# Altium PCB 11BRANMB10H3_20171027.pcbdoc (part 5 of 7) (continued)
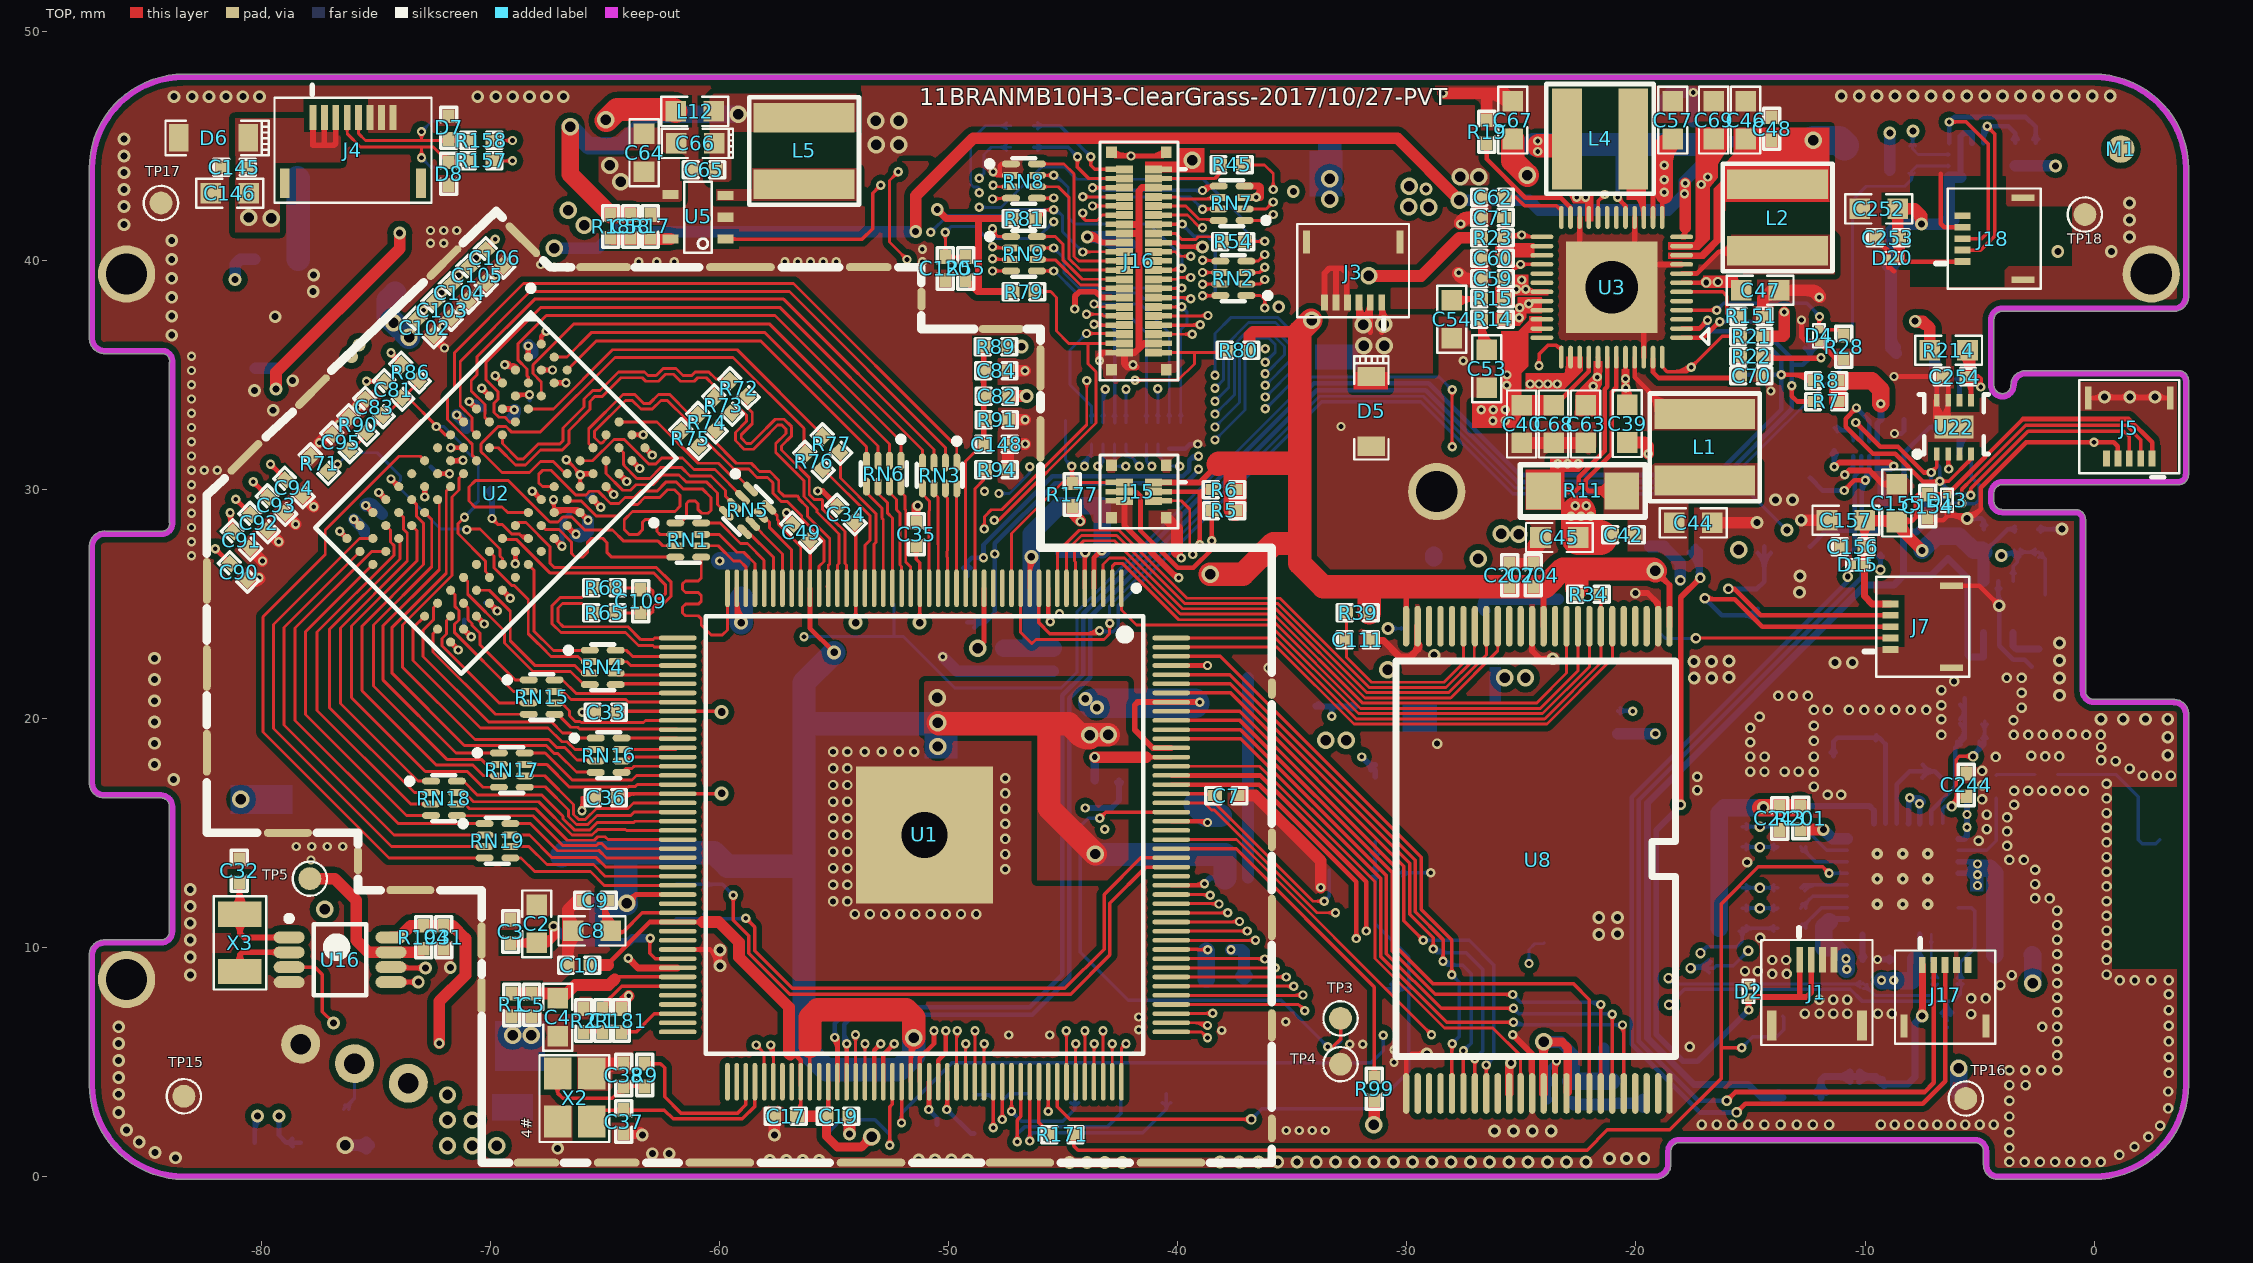
[diagram p0: TOP view]
## Nets (pads, with @x,y where several pads share a name; then routed paths per layer and width w, separated by ;. In a path a pad name is that pad's centre, name@x,y a point inside that pad or via, vN(x,y) a via of type N, cw(c..) or ccw(c..) an arc to the next point about the centre after c; other vN are vias at no path point) (continued)
N17493110: C1.1 R2.2 | length 2.2
  TOP w0.127: R2.2@-65.946,6.358 C1.1@-65.133,6.358 ; R2.2@-65.814,6.225 cw(c-65.493,5.904) -65.493,6.358 ; R2.2@-65.814,6.489 ccw(c-65.498,6.805) -65.498,6.358 ; -65.56,6.358 cw(c-65.56,5.905) C1.1@-65.24,6.225 ; -65.556,6.358 ccw(c-65.556,6.805) C1.1@-65.24,6.489
N17550444: C225.1 C227.1 D18.1 L18.1 U15.6
N17550467: L18.2 U15.1
N17550469: R188.2 R189.1 U15.4 | length 7.9
  Singal w0.254: v1(-33.286,20.091) -32.448,20.091 -31.979,19.623 v1(-31.979,18.316)
  BOTTOM w0.254: R188.2@-34.005,20.549 -33.98,20.523 -33.286,20.523 ; R188.2@-33.868,20.636 ccw(c-33.597,20.907) -33.597,20.523 ; v1(-33.286,20.091) -33.286,20.523 ; R189.1@-32.373,20.436 ccw(c-32.583,20.226) -32.583,20.523 ccw(c-32.583,20.82) R189.1@-32.373,20.61 ; R189.1@-32.236,20.523 -33.286,20.523 ; v1(-31.979,18.316) -31.38,17.717 U15.4@-31.38,17.452 ; v1@-31.905,18.336 ccw(c-31.507,18.443) -31.713,18.085 ; -31.796,18.133 ccw(c-31.38,18.549) U15.4@-31.38,17.96 ; U15.4@-31.667,18.004 cw(c-31.901,17.77) U15.4@-31.57,17.77
N17556983: R194.1 TP5.1 U16.7 | length 7.4
  TOP w0.508: TP5.1@-77.9,13 -76.817,13 -75.882,12.065 -75.882,10.312 -75.355,9.785 U16.7@-74.356,9.785 -73.089,9.785 R194.1@-72.935,9.939
N17556994: C32.2 U16.1 X3.2 | length 8.2
  TOP w0.254: X3.2@-81.249,11.746 ccw(c-81.91,12.407) -80.976,12.407 ; X3.2@-81.198,11.104 cw(c-81.547,10.62) -80.95,10.62 ; C32.2@-81.063,12.71 cw(c-81.273,12.5) -80.976,12.5 cw(c-80.679,12.5) C32.2@-80.889,12.71 ; -80.976,12.53 ccw(c-79.868,12.53) X3.2@-80.651,11.746 ; C32.2@-80.976,12.847 -80.976,11.472 X3.2@-80.95,11.447 -80.95,10.62 ; X3.2@-80.703,11.104 ccw(c-80.353,10.62) -80.95,10.62 ; U16.1@-79.315,10.341 ccw(c-79.542,10.114) -79.542,10.435 ccw(c-79.542,10.756) U16.1@-79.315,10.529 ; U16.1@-78.806,10.435 -80.766,10.435 -80.95,10.62
N17557015: U16.2 X3.1 | length 4.3
  TOP w0.254: X3.1@-81.162,9.313 ccw(c-81.374,9.68) -80.95,9.68 ; X3.1@-80.95,8.947 -80.95,9.68 ; X3.1@-80.739,9.313 cw(c-80.527,9.68) -80.95,9.68 ; U16.2@-79.315,9.691 ccw(c-79.542,9.464) -79.542,9.785 ccw(c-79.542,10.106) U16.2@-79.315,9.879 ; U16.2@-78.806,9.785 -80.845,9.785 -80.95,9.68
N17569799: C237.1 U19.4 | length 1.7
  BOTTOM w0.305: U19.4@-3.529,23.742 -3.529,23.163 -3.396,23.03 C237.1@-2.413,23.03
N17725418: R201.2 U7.24 | length 2.2
  TOP w0.508: R201.2@-12.813,15.146 -11.831,15.146 v3(-11.823,15.138)
  BOTTOM w0.508: v3(-11.823,15.138) -11.422,14.737 U7.24@-10.782,14.737
N17726905: C245.2 R155.2 R202.2 U7.31 | length 8.6
  BOTTOM w0.203: U7.31@-7.107,15.412 -7.107,15.975 -6.057,17.025 -6.057,18.712 ; C245.2@-5.979,18.79 cw(c-5.832,18.642) C245.2@-5.832,18.851 ; C245.2@-5.978,18.971 cw(c-6.261,18.916) -6.057,18.712 ; C245.2@-5.837,19.104 ccw(c-6.305,19.573) -5.643,19.573 ; R202.2@-5.837,19.758 cw(c-6.305,19.289) -5.643,19.289 ; R202.2@-5.837,19.968 ccw(c-6.305,20.436) -5.643,20.436 ; R155.2@-5.837,20.596 cw(c-6.305,20.127) -5.643,20.127 ; R155.2@-5.643,20.879 -5.643,20.701 -5.643,19.863 -5.643,19.126 -5.776,18.993 -6.057,18.712
N17728099: R203.2 U7.16 | length 1.6
  BOTTOM w0.254: R203.2@-10.183,9.578 ccw(c-10.365,9.76) -10.107,9.76 ; -10.107,9.815 ccw(c-9.771,9.815) R203.2@-10.009,9.578 ; U7.16@-10.107,10.562 -10.107,9.452 R203.2@-10.096,9.441
N17734642: C248.2 C249.2 D19.1 J17.1 R198.1 | length 15.8
  TOP w0.305: v3@-7.595,7.1 ccw(c-7.823,7.329) -7.5,7.329 ; v3(-7.505,7.01) -7.5,7.015 J17.1@-7.5,9.225 ; -7.5,7.305 ccw(c-7.21,7.305) v3@-7.415,7.1
  BOTTOM w0.305: R198.1@-12.134,3.665 ccw(c-12.642,4.173) -11.924,4.173 ccw(c-11.205,4.173) R198.1@-11.713,3.665 ; R198.1@-11.924,3.454 -11.924,4.204 -11.774,4.354 C249.2@-10.451,4.354 -9.517,4.354 C248.2@-9.244,4.081 -9.201,4.038 -8.127,4.038 -7.821,4.344 -7.821,6.248 -7.821,6.694 v3(-7.505,7.01) ; C249.2@-10.662,4.144 ccw(c-11.17,3.636) -11.17,4.354 ccw(c-11.17,5.073) C249.2@-10.662,4.565 ; C249.2@-10.241,4.144 cw(c-9.733,3.636) -9.733,4.354 cw(c-9.733,5.073) C249.2@-10.241,4.565 ; C249.2@-10.019,4.354 cw(c-10.019,3.356) C248.2@-9.313,4.062 ; -9.496,4.333 ccw(c-9.244,4.585) C248.2@-9.244,4.229 ; C248.2@-9.175,3.962 cw(c-8.991,3.778) -8.991,4.038 ; v3@-7.632,7.01 cw(c-7.938,7.01) -7.722,6.794 cw(c-7.505,6.577) v3@-7.505,6.883
N17747477: R209.1 U20.5 | length 2.1
  BOTTOM w0.152: R209.1@-11.335,32.687 R209.1@-11.34,32.682 -11.221,32.563 -10.705,32.563 -10.502,32.36 -10.519,32.343 U20.5@-10.519,32.11 ; R209.1@-11.217,32.509 cw(c-11.087,32.379) -11.087,32.563 ; R209.1@-11.217,32.755 ccw(c-10.754,33.218) -10.754,32.563 ; -10.631,32.489 cw(c-10.845,32.275) U20.5@-10.543,32.275
N17800108: C251.2 L7.1 L19.1 U9.6
N17800564: D12.2 L7.2 U9.4
N17849143: C238.1 R213.2 U21.5 | length 2.6
  BOTTOM w0.254: C238.1@-6.989,34.838 cw(c-7.273,34.554) -6.871,34.554 ; C238.1@-6.952,34.925 -6.871,34.844 U21.5@-6.871,33.89
  BOTTOM w0.508: R213.2@-7.175,36.068 -6.952,35.845 C238.1@-6.952,34.925
N167142980: C53.1 R14.1 | length 4.3
  TOP w0.254: R14.1@-26.851,37.335 cw(c-27.061,37.125) -26.764,37.125 cw(c-26.467,37.125) R14.1@-26.677,37.335 ; -26.764,36.827 ccw(c-25.811,36.827) C53.1@-26.47,36.138 ; -26.654,37.01 cw(c-26.207,37.13) R14.1@-26.607,37.361 ; C53.1@-26.518,36.089 -26.764,36.334 R14.1@-26.764,37.422 ccw(c-25.24,37.422) C53.1@-26.295,36.322
NALE: U1.7 U8.17 | length 25.3
  TOP w0.127: U1.7@-44.865,25.683 -44.865,27.33 -44.211,27.984 -42.673,27.984 -39.704,25.015 -35.636,25.015 -31.741,21.12 -28.184,21.12 -26.533,22.771 U8.17@-26.533,24.024 ; U8.17@-26.585,23.22 cw(c-26.712,23.094) -26.533,23.094 cw(c-26.354,23.094) U8.17@-26.481,23.22
NCE0-N: U1.2 U8.9 | length 26.9
  TOP w0.127: U1.2@-42.865,25.683 -42.865,26.64 -42.738,26.767 -42.426,26.767 -39.962,24.303 -35.895,24.303 -32.026,20.434 -24.175,20.434 -22.533,22.076 U8.9@-22.533,24.024 ; U8.9@-22.585,23.22 cw(c-22.712,23.094) -22.533,23.094 cw(c-22.354,23.094) U8.9@-22.481,23.22
NCE1-N: U1.3 U8.10 | length 26.9
  TOP w0.127: U1.3@-43.265,25.683 -43.265,26.716 -42.985,26.996 -42.331,26.996 -39.893,24.557 -35.825,24.557 -31.931,20.663 -24.349,20.663 -23.033,21.979 U8.10@-23.033,24.024 ; U8.10@-23.085,23.22 cw(c-23.212,23.094) -23.033,23.094 cw(c-22.854,23.094) U8.10@-22.981,23.22
NCLE: U1.6 U8.16 | length 25.4
  TOP w0.127: U1.6@-44.465,25.683 -44.465,26.821 -44.517,26.873 -44.517,27.346 -44.107,27.756 -42.768,27.756 -39.798,24.786 -35.731,24.786 -31.836,20.892 -28.09,20.892 -26.033,22.948 U8.16@-26.033,24.024 ; U8.16@-26.085,23.22 cw(c-26.212,23.094) -26.033,23.094 cw(c-25.854,23.094) U8.16@-25.981,23.22
ND0: U1.174 U8.29 | length 27.8
  TOP w0.152: U1.174@-40.29,22.708 -38.156,22.708 -29.376,13.928 -29.376,11.656 -28.042,10.322 v1(-28.042,8.81) ; v1@-28.132,8.899 ccw(c-28.349,9.116) -28.042,9.116 ccw(c-27.735,9.116) v1@-27.952,8.899 ; v1@-28.118,5.701 cw(c-28.323,5.497) -28.033,5.497 ; U8.29@-28.076,4.419 ccw(c-28.181,4.523) -28.033,4.523 ccw(c-27.885,4.523) U8.29@-27.99,4.419 ; U8.29@-28.033,3.624 v1@-28.033,5.791 ; -28.033,5.473 cw(c-27.709,5.473) v1@-27.938,5.701
  BOTTOM w0.152: v1@-28.042,8.683 cw(c-28.042,8.376) -27.825,8.593 cw(c-27.608,8.81) v1@-27.915,8.81 ; v1(-28.042,8.81) -27.712,8.479 -27.712,6.107 v1(-28.028,5.791) ; v1@-28.028,5.918 ccw(c-28.028,6.225) -27.811,6.008 ccw(c-27.594,5.791) v1@-27.901,5.791
ND1: U1.172 U8.30 | length 28.6
  TOP w0.152: U1.172@-40.29,21.908 -37.737,21.908 -29.63,13.801 -29.63,11.551 -28.423,10.344 v1(-28.423,9.394) ; v1@-28.513,9.484 ccw(c-28.73,9.7) -28.423,9.7 ccw(c-28.116,9.7) v1@-28.333,9.484 ; v1@-27.624,5.392 cw(c-27.843,5.173) -27.533,5.173 ; U8.30@-27.576,4.419 ccw(c-27.681,4.523) -27.533,4.523 ccw(c-27.385,4.523) U8.30@-27.49,4.419 ; U8.30@-27.533,3.624 v1@-27.533,5.481 ; -27.533,5.178 cw(c-27.23,5.178) v1@-27.444,5.392 ; v1(-27.534,5.482) v1@-27.533,5.481
  BOTTOM w0.152: v1@-28.441,9.376 ccw(c-28.055,9.762) -28.055,9.216 ; v1(-28.423,9.394) -28.245,9.216 -27.559,9.216 -27.2,8.856 -27.2,5.816 v1(-27.534,5.482) ; v1@-28.333,9.484 ccw(c-27.687,10.13) -27.687,9.216 ; v1@-27.534,5.609 ccw(c-27.534,5.916) -27.317,5.699 ccw(c-27.1,5.482) v1@-27.407,5.482
ND2: U1.171 U8.31 | length 28.6
  TOP w0.152: U1.171@-40.29,21.508 -37.718,21.508 -29.884,13.674 -29.884,11.445 -28.855,10.417 v1(-28.855,9.927) ; v1@-28.945,10.017 ccw(c-29.161,10.234) -28.855,10.234 ccw(c-28.548,10.234) v1@-28.765,10.017 ; v1@-27.123,5.044 cw(c-27.34,4.827) -27.033,4.827 cw(c-26.726,4.827) v1@-26.943,5.044 ; U8.31@-27.076,4.419 ccw(c-27.181,4.523) -27.033,4.523 ccw(c-26.885,4.523) U8.31@-26.99,4.419 ; U8.31@-27.033,3.624 v1(-27.033,5.134)
  BOTTOM w0.152: v1@-28.873,9.909 ccw(c-28.548,10.234) -28.548,9.775 ; v1(-28.855,9.927) -28.702,9.775 -27.432,9.775 -26.7,9.042 -26.7,5.467 v1(-27.033,5.134) ; v1@-28.765,10.017 ccw(c-28.18,10.602) -28.18,9.775 ; v1@-27.033,5.261 ccw(c-27.033,5.567) -26.816,5.35 ccw(c-26.599,5.134) v1@-26.906,5.134
ND3: U1.170 U8.32 | length 28.4
  TOP w0.152: U1.170@-40.29,21.108 -37.698,21.108 -30.138,13.547 -30.138,11.159 v1(-29.287,10.308) ; v1@-29.414,10.308 ccw(c-29.72,10.308) -29.503,10.525 ccw(c-29.287,10.742) v1@-29.287,10.435 ; v1@-26.623,4.772 cw(c-26.84,4.556) -26.533,4.556 cw(c-26.226,4.556) v1@-26.443,4.772 ; U8.32@-26.576,4.419 ccw(c-26.681,4.523) -26.533,4.523 ccw(c-26.385,4.523) U8.32@-26.49,4.419 ; U8.32@-26.569,3.66 U8.32@-26.533,3.624 v1(-26.533,4.862)
  BOTTOM w0.152: v1(-29.287,10.308) -27.28,10.308 -26.2,9.228 -26.2,5.195 v1(-26.533,4.862) ; v1@-29.197,10.218 cw(c-28.98,10.002) -28.98,10.308 cw(c-28.98,10.615) v1@-29.197,10.398 ; v1@-26.533,4.989 ccw(c-26.533,5.296) -26.316,5.079 ccw(c-26.099,4.862) v1@-26.406,4.862
ND4: U1.168 U8.41 | length 29.8
  TOP w0.152: U1.168@-40.29,20.308 -37.305,20.308 -30.392,13.394 -30.392,9.936 -28.858,8.403 -22.715,8.403 -22.033,7.722 U8.41@-22.033,3.624 ; U8.41@-22.076,4.419 ccw(c-22.181,4.523) -22.033,4.523 ccw(c-21.885,4.523) U8.41@-21.99,4.419
ND5: U1.167 U8.42 | length 32.2
  TOP w0.152: U1.167@-40.29,19.908 -37.286,19.908 -30.646,13.267 -30.646,9.831 -28.76,7.946 v1(-25.375,7.946) ; v1@-25.465,7.856 ccw(c-25.682,7.639) -25.682,7.946 ccw(c-25.682,8.253) v1@-25.465,8.036 ; v1@-21.623,7.418 cw(c-21.84,7.201) -21.533,7.201 cw(c-21.226,7.201) v1@-21.443,7.418 ; U8.42@-21.576,4.419 ccw(c-21.681,4.523) -21.533,4.523 ccw(c-21.385,4.523) U8.42@-21.49,4.419 ; U8.42@-21.533,3.624 v1(-21.533,7.508)
  BOTTOM w0.152: v1@-25.375,7.819 cw(c-25.375,7.512) -25.158,7.729 cw(c-24.941,7.946) v1@-25.248,7.946 ; v1(-25.375,7.946) -25.041,7.612 -21.637,7.612 v1(-21.533,7.508) ; -22.091,7.612 cw(c-22.091,6.95) v1@-21.623,7.418 ; -21.723,7.612 cw(c-21.723,7.318) v1@-21.515,7.526
ND6: U1.166 U8.43 | length 32.1
  TOP w0.152: U1.166@-40.29,19.508 -37.267,19.508 -30.9,13.14 -30.9,9.726 -28.51,7.336 v1(-25.35,7.336) ; v1@-25.439,7.247 ccw(c-25.656,7.03) -25.656,7.336 ccw(c-25.656,7.643) v1@-25.439,7.426 ; v1@-21.123,6.991 cw(c-21.34,6.774) -21.033,6.774 cw(c-20.726,6.774) v1@-20.943,6.991 ; U8.43@-21.076,4.419 ccw(c-21.181,4.523) -21.033,4.523 ccw(c-20.885,4.523) U8.43@-20.99,4.419 ; U8.43@-21.033,3.624 -21.033,7.05 -21.048,7.066 -21.064,7.081 v1(-21.033,7.081)
  BOTTOM w0.152: v1@-25.35,7.209 cw(c-25.35,6.903) -25.133,7.12 cw(c-24.916,7.336) v1@-25.223,7.336 ; v1(-25.35,7.336) -25.125,7.112 -21.064,7.112 v1(-21.033,7.081) ; -21.414,7.112 cw(c-21.414,6.7) v1@-21.123,6.991 ; -21.265,7.112 ccw(c-21.265,7.313) v1@-21.123,7.171
ND7: U1.165 U8.44 | length 32.3
  TOP w0.152: U1.165@-40.29,19.108 -37.248,19.108 -31.154,13.013 -31.154,9.621 -28.26,6.727 v1(-25.35,6.727) ; v1@-25.439,6.637 ccw(c-25.656,6.42) -25.656,6.727 ccw(c-25.656,7.033) v1@-25.439,6.817 ; v1@-20.676,6.522 cw(c-21.022,6.176) -20.533,6.176 ; v1(-20.586,6.612) -20.533,6.558 U8.44@-20.533,3.624 U8.44@-20.549,3.64 ; U8.44@-20.576,4.419 ccw(c-20.681,4.523) -20.533,4.523 ccw(c-20.385,4.523) U8.44@-20.49,4.419
  BOTTOM w0.152: v1@-25.368,6.709 ccw(c-25.133,6.943) -25.133,6.612 ; v1(-25.35,6.727) -25.235,6.612 v1(-20.586,6.612) ; v1@-25.26,6.817 ccw(c-24.765,7.311) -24.765,6.612 ; v1@-20.676,6.522 ccw(c-20.893,6.305) -20.893,6.612 ccw(c-20.893,6.918) v1@-20.676,6.702
NDQS: U1.162 U8.35 | length 24.4
  TOP w0.127: U1.162@-40.29,17.908 -36.439,17.908 -31.395,12.864 -31.395,9.521 -28.36,6.486 -26.251,6.486 -25.033,5.267 U8.35@-25.033,3.624 ; U8.35@-25.085,4.428 ccw(c-25.212,4.554) -25.033,4.554 ccw(c-24.854,4.554) U8.35@-24.981,4.428
NMI-N: R21.1 U1.158 U3.48 U16.3 | length 108.2
  TOP w0.127: U1.158@-40.29,16.308 -38.844,16.308 -38.535,15.999 -38.414,15.999 -33.929,11.514 v1(-33.122,11.514) ; v1@-33.221,11.415 ccw(c-33.459,11.177) -33.459,11.514 ccw(c-33.459,11.851) v1@-33.221,11.613
  TOP w0.152: U16.3@-78.806,9.135 -77.676,9.135 -77.355,8.814 -77.355,7.195 v3(-76.861,6.701) ; U3.48@-18.857,35.769 -18.857,35.349 -18.644,35.136 -17.784,35.136 ; -18.367,35.136 ccw(c-18.367,36.11) v1@-17.678,35.421 ; -17.999,35.136 ccw(c-17.999,35.742) v1@-17.571,35.313 ; v1@-17.715,35.322 cw(c-17.952,35.304) -17.784,35.136 ; v1@-17.598,35.205 ccw(c-17.616,34.968) -17.784,35.136 ; v1@-17.589,35.458 ccw(c-17.589,35.765) -17.372,35.548 ccw(c-17.155,35.331) v1@-17.462,35.331 ; R21.1@-15.634,36.56 ccw(c-15.93,36.263) -15.93,36.683 ccw(c-15.93,37.103) R21.1@-15.634,36.806 ; R21.1@-15.461,36.683 -16.237,36.683 v1(-17.589,35.331) -17.784,35.136
  Singal w0.152: v3(-76.861,6.701) -72.141,6.701 -69.347,3.907 -51.726,3.907 -50.354,5.279 -41.744,5.279 -41.351,5.672 -35.483,5.672 -33.908,7.247 -33.908,10.728 v1(-33.122,11.514) -31.787,12.849 -31.787,16.997 -24.11,24.674 -24.11,33.521 -24.994,34.406 -24.994,35.39 -24.613,35.771 -22.88,35.771 -22.44,35.331 v1(-17.589,35.331) ; v1@-33.249,11.514 cw(c-33.556,11.514) -33.339,11.297 cw(c-33.122,11.08) v1@-33.122,11.387 ; v1@-33.122,11.641 ccw(c-33.122,11.948) -32.905,11.731 ccw(c-32.688,11.514) v1@-32.995,11.514 ; v1@-17.678,35.242 ccw(c-17.895,35.025) -17.895,35.331 ccw(c-17.895,35.638) v1@-17.678,35.421
NRB0-N: R34.2 U1.176 U8.7 | length 25.8
  TOP w0.127: U1.176@-40.29,23.508 -35.746,23.508 -32.215,19.977 -23.986,19.977 -21.53,22.433 -21.53,24.021 U8.7@-21.533,24.024 -21.533,25.421 -21.533,25.647 -21.584,25.698 ; R34.2@-21.655,25.289 cw(c-21.949,24.995) -21.533,24.995 ; U8.7@-21.585,23.22 cw(c-21.718,23.087) -21.53,23.087 ; U8.7@-21.585,24.828 ccw(c-21.712,24.954) -21.533,24.954 ccw(c-21.354,24.954) U8.7@-21.481,24.828 ; -21.533,24.947 cw(c-21.049,24.947) R34.2@-21.391,25.289 ; -21.53,23.101 cw(c-21.361,23.101) U8.7@-21.481,23.22
NRB1-N: U1.175 U8.6 | length 23.5
  TOP w0.127: U1.175@-40.29,23.108 -35.669,23.108 -32.31,19.748 -23.891,19.748 -21.033,22.606 U8.6@-21.033,24.024 ; U8.6@-21.085,23.22 cw(c-21.212,23.094) -21.033,23.094 cw(c-20.854,23.094) U8.6@-20.981,23.22
NRE-N: U1.1 U8.8 | length 26.2
  TOP w0.127: U1.1@-42.465,25.683 -42.465,24.735 -41.805,24.075 -35.989,24.075 -32.12,20.206 -24.08,20.206 -22.033,22.253 U8.8@-22.033,24.024 ; U8.8@-22.085,23.22 cw(c-22.212,23.094) -22.033,23.094 cw(c-21.854,23.094) U8.8@-21.981,23.22
NWE-N: U1.8 U8.18 | length 25.2
  TOP w0.127: U1.8@-45.265,25.683 -45.265,27.253 -44.305,28.213 -42.572,28.213 -39.602,25.243 -35.541,25.243 -31.647,21.349 -28.292,21.349 -27.063,22.578 -27.063,23.994 U8.18@-27.033,24.024 ; -27.063,23.022 cw(c-26.782,23.022) U8.18@-26.981,23.22
NWP-N: C111.2 R39.2 U8.19 | length 11.9
  TOP w0.127: C111.2@-32.779,23.308 cw(c-33.098,22.99) -32.647,22.99 cw(c-32.197,22.99) C111.2@-32.516,23.308 ; C111.2@-32.779,23.572 ccw(c-33.098,23.89) -32.647,23.89 ccw(c-32.197,23.89) C111.2@-32.516,23.572 ; R39.2@-32.779,24.476 cw(c-33.098,24.158) -32.647,24.158 cw(c-32.197,24.158) R39.2@-32.516,24.476 ; R39.2@-32.647,24.608 C111.2@-32.647,23.44 -32.647,22.673 -31.552,21.577 -28.387,21.577 -27.533,22.431 U8.19@-27.533,24.024 ; U8.19@-27.585,23.22 cw(c-27.712,23.094) -27.533,23.094 cw(c-27.354,23.094) U8.19@-27.481,23.22
O_RESET: J7.2 R131.2 TP86.1 U1.108 | length 65
  TOP w0.127: v2@-17.355,23.5 J7.2@-8.88,23.5 ; J7.2@-9.141,23.439 ccw(c-9.288,23.291) -9.288,23.5 ccw(c-9.288,23.709) J7.2@-9.141,23.561
  TOP w0.152: v1@-52.158,2.426 ccw(c-52.384,2.652) -52.065,2.652 ; v1@-52.065,2.338 U1.108@-52.065,4.133 ; -52.065,2.634 ccw(c-51.771,2.634) v1@-51.979,2.426
  Singal w0.127: v1@-20.241,20.415 ccw(c-20.48,20.653) -20.143,20.653 ccw(c-19.805,20.653) v1@-20.044,20.415 ; v1(-20.143,20.316) -20.143,20.738 v2(-17.385,23.495)
  Singal w0.152: v1(-31.039,6.168) -31.039,6.173 -29.978,7.235 -27.385,7.235 -26.594,8.026 -26.594,10.308 -20.143,16.76 v1(-20.143,20.316) ; v1@-31.039,6.295 ccw(c-31.039,6.589) -30.832,6.381 ; v1@-30.912,6.168 cw(c-30.593,6.168) -30.819,6.394 ; v1@-20.232,20.226 cw(c-20.449,20.009) -20.143,20.009 cw(c-19.836,20.009) v1@-20.053,20.226
  BOTTOM w0.127: TP86.1@-18.9,23.677 -18.861,23.639 -18.718,23.495 v2(-17.385,23.495)
  BOTTOM w0.152: v1@-52.158,2.426 ccw(c-52.375,2.643) -52.069,2.643 ccw(c-51.762,2.643) v1@-51.979,2.426 ; v1(-52.069,2.337) -52.069,2.756 -49.872,4.953 -31.573,4.953 -31.039,5.486 v1(-31.039,6.168) ; v1@-31.129,6.078 cw(c-31.346,5.861) -31.039,5.861 cw(c-30.733,5.861) v1@-30.949,6.078 ; R131.2@-20.803,20.333 -20.786,20.316 v1(-20.143,20.316) ; R131.2@-20.68,20.21 cw(c-20.425,19.956) -20.425,20.316 ; R131.2@-20.68,20.456 ccw(c-20.341,20.795) v1@-20.341,20.316 ; -20.495,20.357 ccw(c-20.415,20.654) v1@-20.222,20.415 ; v1@-20.232,20.226 ccw(c-20.449,20.009) -20.449,20.316 ccw(c-20.449,20.622) v1@-20.232,20.406
ODT: RN19.4 U2.K1 | length 27.6
  TOP w0.127: U2.K1@-72.887,31.248 -73.082,31.443 -74.001,31.443 -77.227,28.217 -77.227,27.151 -79.945,24.433 -79.945,19.404 -74.445,13.904 RN19.4@-70.273,13.904
P_RX_UART1: J6.5 U1.152 | length 29.3
  TOP w0.152: v1@-58.863,11.146 cw(c-58.863,10.84) -58.646,11.056 cw(c-58.43,11.273) v1@-58.736,11.273 ; v1(-58.863,11.273) -58.478,10.888 -58.478,9.855 -56.835,8.212 -44.933,8.212 -43.222,9.923 -43.222,12.308 -41.622,13.908 U1.152@-40.29,13.908
  BOTTOM w0.152: J6.5@-61.9,11.25 -58.887,11.25 v1(-58.863,11.273) ; J6.5@-60.706,11.056 cw(c-60.239,10.589) -60.239,11.25 cw(c-60.239,11.911) J6.5@-60.706,11.443 ; -59.226,11.25 ccw(c-59.226,11.636) v1@-58.953,11.363 ; -59.114,11.25 cw(c-59.114,11.023) v1@-58.953,11.183
P_TX_UART1: J6.6 U1.151 | length 30.3
  TOP w0.152: v1@-59.501,12.186 cw(c-59.718,11.969) -59.411,11.969 cw(c-59.104,11.969) v1@-59.321,12.186 ; v1(-59.411,12.276) -59.411,11.186 -58.732,10.507 -58.732,9.75 -56.941,7.958 -44.679,7.958 -42.968,9.669 -42.968,11.933 -41.393,13.508 U1.151@-40.29,13.508
  BOTTOM w0.152: J6.6@-61.9,12.75 -59.885,12.75 v1(-59.411,12.276) ; J6.6@-60.706,12.556 cw(c-60.239,12.089) -60.239,12.75 cw(c-60.239,13.411) J6.6@-60.706,12.943 ; v1@-59.538,12.276 ccw(c-59.845,12.276) -59.628,12.493 ccw(c-59.411,12.71) v1@-59.411,12.403
RAS: RN16.3 U2.J3 | length 19.7
  TOP w0.127: U2.J3@-71.19,30.682 -71.39,30.482 -71.39,29.965 -71.69,29.665 -71.69,26.232 -73.849,24.073 -73.849,22.227 -70.695,19.073 -67.471,19.073 -67.121,18.724 -66.772,18.724 -66.232,18.184 -65.463,18.184 RN16.3@-65.419,18.141
RESET-N: C7.2 C71.2 R23.1 TP88.1 U1.159 U3.25 | length 54.4
  TOP w0.127: -38.696,16.708 ccw(c-38.696,16.894) C7.2@-38.565,16.762 ; C7.2@-38.61,16.572 ccw(c-38.797,16.511) -38.797,16.708 -38.453,16.708 C7.2@-38.379,16.634 ; C7.2@-38.503,16.488 cw(c-38.724,16.228) -38.383,16.228 ; C7.2@-38.383,16.63 -38.383,16.228 ; C7.2@-38.262,16.488 ccw(c-38.042,16.228) -38.383,16.228 ; v1@-33.715,11.915 ccw(c-33.953,11.677) -33.953,12.014 ccw(c-33.953,12.351) v1@-33.715,12.113 ; v1(-33.616,12.014) -34.106,12.014 -38.32,16.228 -38.383,16.228
  TOP w0.152: U1.159@-40.29,16.708 -38.797,16.708 ; R23.1@-25.887,41.101 ccw(c-26.184,41.398) -25.764,41.398 ccw(c-25.344,41.398) R23.1@-25.641,41.101 ; C71.2@-25.887,41.744 cw(c-26.184,41.447) -25.764,41.447 ; -25.764,41.447 cw(c-25.344,41.447) C71.2@-25.641,41.744 ; C71.2@-25.764,41.867 R23.1@-25.764,40.978 -25.637,41.105 v1(-24.994,41.105) ; R23.1@-25.699,40.963 cw(c-25.359,40.627) -25.359,41.105 ; R23.1@-25.59,40.856 cw(c-24.994,40.267) v1(-24.994,41.105) ; v1@-25.104,41.169 cw(c-25.369,41.322) -25.29,41.026 cw(c-25.211,40.729) v1@-25.058,40.995 ; v1@-25.084,41.015 ccw(c-25.301,40.798) -25.301,41.105 ccw(c-25.301,41.412) v1@-25.084,41.195 ; v1@-24.904,41.195 ccw(c-24.48,41.619) U3.25@-24.48,41.019 ; U3.25@-24.107,41.019 -24.908,41.019 v1(-24.994,41.105)
  Singal w0.152: v1(-33.616,12.014) -32.676,12.954 -32.676,16.967 -24.548,25.095 -24.548,32.907 -26.518,34.877 -26.518,40.343 -25.756,41.105 v1(-24.994,41.105) ; v1@-33.616,12.141 ccw(c-33.616,12.448) -33.399,12.231 ccw(c-33.182,12.014) v1@-33.489,12.014 ; v1@-25.084,41.015 ccw(c-25.301,40.798) -25.301,41.105 ccw(c-25.301,41.412) v1@-25.084,41.195
  BOTTOM w0.152: v1(-33.616,12.014) -33.387,12.243 -33.387,13.364 TP88.1@-33.4,13.377 ; v1@-33.616,12.141 ccw(c-33.616,12.448) -33.399,12.231 ccw(c-33.182,12.014) v1@-33.489,12.014
RST: RN19.2 U2.T2 | length 19.7
  TOP w0.127: U2.T2@-75.715,27.288 -79.03,23.973 -79.03,19.708 -74.226,14.904 RN19.2@-70.273,14.904
RTCVDD: C31.2 C59.2 R21.2 R194.2 TP50.1 U3.28 U16.8 | length 111.7
  TOP w0.152: C59.2@-25.764,39.2 -25.145,39.819 v1(-25.043,39.819) U3.28@-24.107,39.819 ; -25.434,39.53 cw(c-25.043,39.139) v1@-25.043,39.692 ; v1@-24.953,39.729 cw(c-24.736,39.512) -24.736,39.819 cw(c-24.736,40.126) v1@-24.953,39.909
  TOP w0.508: U16.8@-74.356,10.435 -74.006,10.435 -73.502,10.939 R194.2@-72.935,10.939 C31.2@-72.046,10.939 -71.657,10.939 -71.106,10.389 -71.106,8.788 -72.249,7.645 v2(-72.249,5.817) ; R21.2@-14.461,36.683 -13.562,36.683 ; -13.525,36.72 v1@-13.525,37.719
  Singal w0.508: v2(-72.249,5.817) -69.654,3.221 -51.442,3.221 -50.219,4.445 -41.605,4.445 -41.165,4.885 -35.293,4.885 -32.956,7.222 -32.956,10.427 -30.68,12.703 -26.857,12.703 -22.262,17.297 -22.262,21.819 -18.046,26.035 -18.046,33.757 -16.293,35.509 -16.293,36.203 ; v1@-25.121,39.835 -24.232,39.835 -23.724,39.327 -23.724,36.66 -23.267,36.203 -16.293,36.203 ; v1@-13.525,37.719 -13.525,37.059 -14.38,36.203 -16.293,36.203
  BOTTOM w0.508: TP50.1@-19.4,27.5 -18.777,27.5 -18.06,26.783 v2(-18.06,26.031)
  other v1: -13.525,37.744
SA0: RN17.5 U1.64 | length 7.8
  TOP w0.127: RN17.5@-68.518,16.992 -68.495,17.015 -67.626,17.015 -66.612,16.001 -66.612,15.712 -66.262,15.362 -65.768,15.362 -65.369,15.761 -63.886,15.761 -63.739,15.908 U1.64@-61.84,15.908
SA1: RN15.7 U1.52 | length 5.6
  TOP w0.127: RN15.7@-67.213,21.178 -66.85,21.178 -66.498,20.825 -64.103,20.825 -63.986,20.708 U1.52@-61.84,20.708
SA2: RN18.7 U1.66 | length 10.5
  TOP w0.127: RN18.7@-71.48,16.758 -71.152,16.758 -70.751,16.357 -67.907,16.357 -66.455,14.905 -65.578,14.905 -65.332,15.152 -64.124,15.152 -64.08,15.108 U1.66@-61.84,15.108
SA3: RN18.8 U1.65 | length 10.7
  TOP w0.127: RN18.8@-71.48,17.258 -71.195,17.258 -70.598,16.661 -67.781,16.661 -66.841,15.721 -66.841,15.617 -66.357,15.134 -65.673,15.134 -65.35,15.456 -63.759,15.456 -63.708,15.508 U1.65@-61.84,15.508
SA4: RN15.8 U1.51 | length 5.9
  TOP w0.127: RN15.8@-67.213,21.678 -66.865,21.678 -66.267,21.079 U1.51@-62.13,21.079 ; U1.51@-62.13,21.079 -62.101,21.108 U1.51@-61.84,21.108 U1.51@-62.13,21.079
SA5: RN18.6 U1.67 | length 10.4
  TOP w0.127: RN18.6@-71.48,16.258 -71.131,16.258 -70.925,16.052 -68.034,16.052 -66.658,14.676 -65.484,14.676 -65.328,14.832 -65.012,14.832 -64.888,14.708 U1.67@-61.84,14.708
SA6: RN15.6 U1.54 | length 5.9
  TOP w0.127: RN15.6@-67.213,20.678 -66.919,20.678 -66.565,20.325 -66.565,20.118 -66.315,19.867 -66.1,19.867 -66.046,19.813 -63.332,19.813 -63.237,19.908 U1.54@-61.84,19.908
SA7: RN19.6 U1.71 | length 7.8
  TOP w0.127: RN19.6@-69.143,14.404 -68.341,14.404 -67.549,13.612 -65.518,13.612 -65.013,13.108 U1.71@-61.84,13.108
SA8: RN15.5 U1.55 | length 5.9
  TOP w0.127: U1.55@-61.84,19.508 -61.867,19.535 -66.127,19.535 -66.206,19.613 -66.51,19.613 RN15.5@-66.987,20.09 ; RN15.5@-66.987,20.09 RN15.5@-67.213,20.178 -67.125,20.09 RN15.5@-66.987,20.09
SA9: RN19.8 U1.69 | length 7.9
  TOP w0.127: RN19.8@-69.143,15.404 -68.274,15.404 -67.089,14.219 -65.294,14.219 -65.291,14.222 -65.265,14.222 -64.951,13.908 U1.69@-61.84,13.908
SA10: RN4.7 U1.48 | length 2.8
  TOP w0.127: RN4.7@-64.546,22.473 -64.057,22.473 -63.892,22.308 U1.48@-61.84,22.308
SA11: RN16.8 U1.56 | length 2.5
  TOP w0.127: RN16.8@-64.29,19.141 -61.873,19.141 U1.56@-61.84,19.108
SA12: RN4.5 U1.50 | length 2.7
  TOP w0.152: RN4.5@-64.546,21.473 -64.511,21.508 U1.50@-61.84,21.508
SA13: RN18.5 U1.68 | length 10.3
  TOP w0.127: RN18.5@-71.48,15.758 -71.469,15.747 -68.16,15.747 -66.861,14.448 -65.389,14.448 -65.31,14.527 -65.139,14.527 -64.92,14.308 U1.68@-61.84,14.308
SA14: RN16.7 U1.57 | length 2.5
  TOP w0.127: RN16.7@-64.29,18.641 -61.907,18.641 U1.57@-61.84,18.708
SBA0: RN17.6 U1.63 | length 8
  TOP w0.127: RN17.6@-68.518,17.492 -67.641,17.492 -66.383,16.234 -66.383,15.806 -66.168,15.591 -65.862,15.591 -65.387,16.066 -64.012,16.066 -63.77,16.308 U1.63@-61.84,16.308
SBA1: RN4.6 U1.49 | length 3.2
  TOP w0.127: RN4.6@-64.546,21.973 -64.466,21.893 U1.49@-62.279,21.893 ; U1.49@-62.279,21.893 -62.265,21.908 U1.49@-61.84,21.908 U1.49@-62.279,21.893
SBA2: RN17.7 U1.61 | length 7.1
  TOP w0.127: RN17.7@-68.518,17.992 -67.56,17.992 -66.573,17.005 -63.996,17.005 -63.969,17.033 -63.676,17.033 -63.601,17.108 U1.61@-61.84,17.108
SCAS: RN16.5 U1.59 | length 2.6
  TOP w0.127: RN16.5@-64.29,17.641 -64.12,17.81 -63.83,17.81 -63.732,17.908 U1.59@-61.84,17.908
SCK: R65.2 U1.45 | length 7.9
  TOP w0.127: R65.2@-65.605,24.604 -66.018,25.017 -66.864,25.017 -67.067,24.814 -67.067,24.233 -66.834,24.001 -64.015,24.001 -63.449,23.435 -62.92,23.435 -62.847,23.508 U1.45@-61.84,23.508
SCK-N: R68.2 U1.46 | length 8.7
  TOP w0.127: R68.2@-65.605,25.696 -66.03,25.271 -66.969,25.271 -67.321,24.919 -67.321,24.128 -66.94,23.747 -64.12,23.747 -63.554,23.181 -62.92,23.181 -62.847,23.108 U1.46@-61.84,23.108
SCKE: RN4.8 U1.47 | length 2.8
  TOP w0.127: RN4.8@-64.546,22.973 -64.081,22.973 -63.816,22.708 U1.47@-61.84,22.708